# KiCad board rp2350-decoder.kicad_pcb (continued)
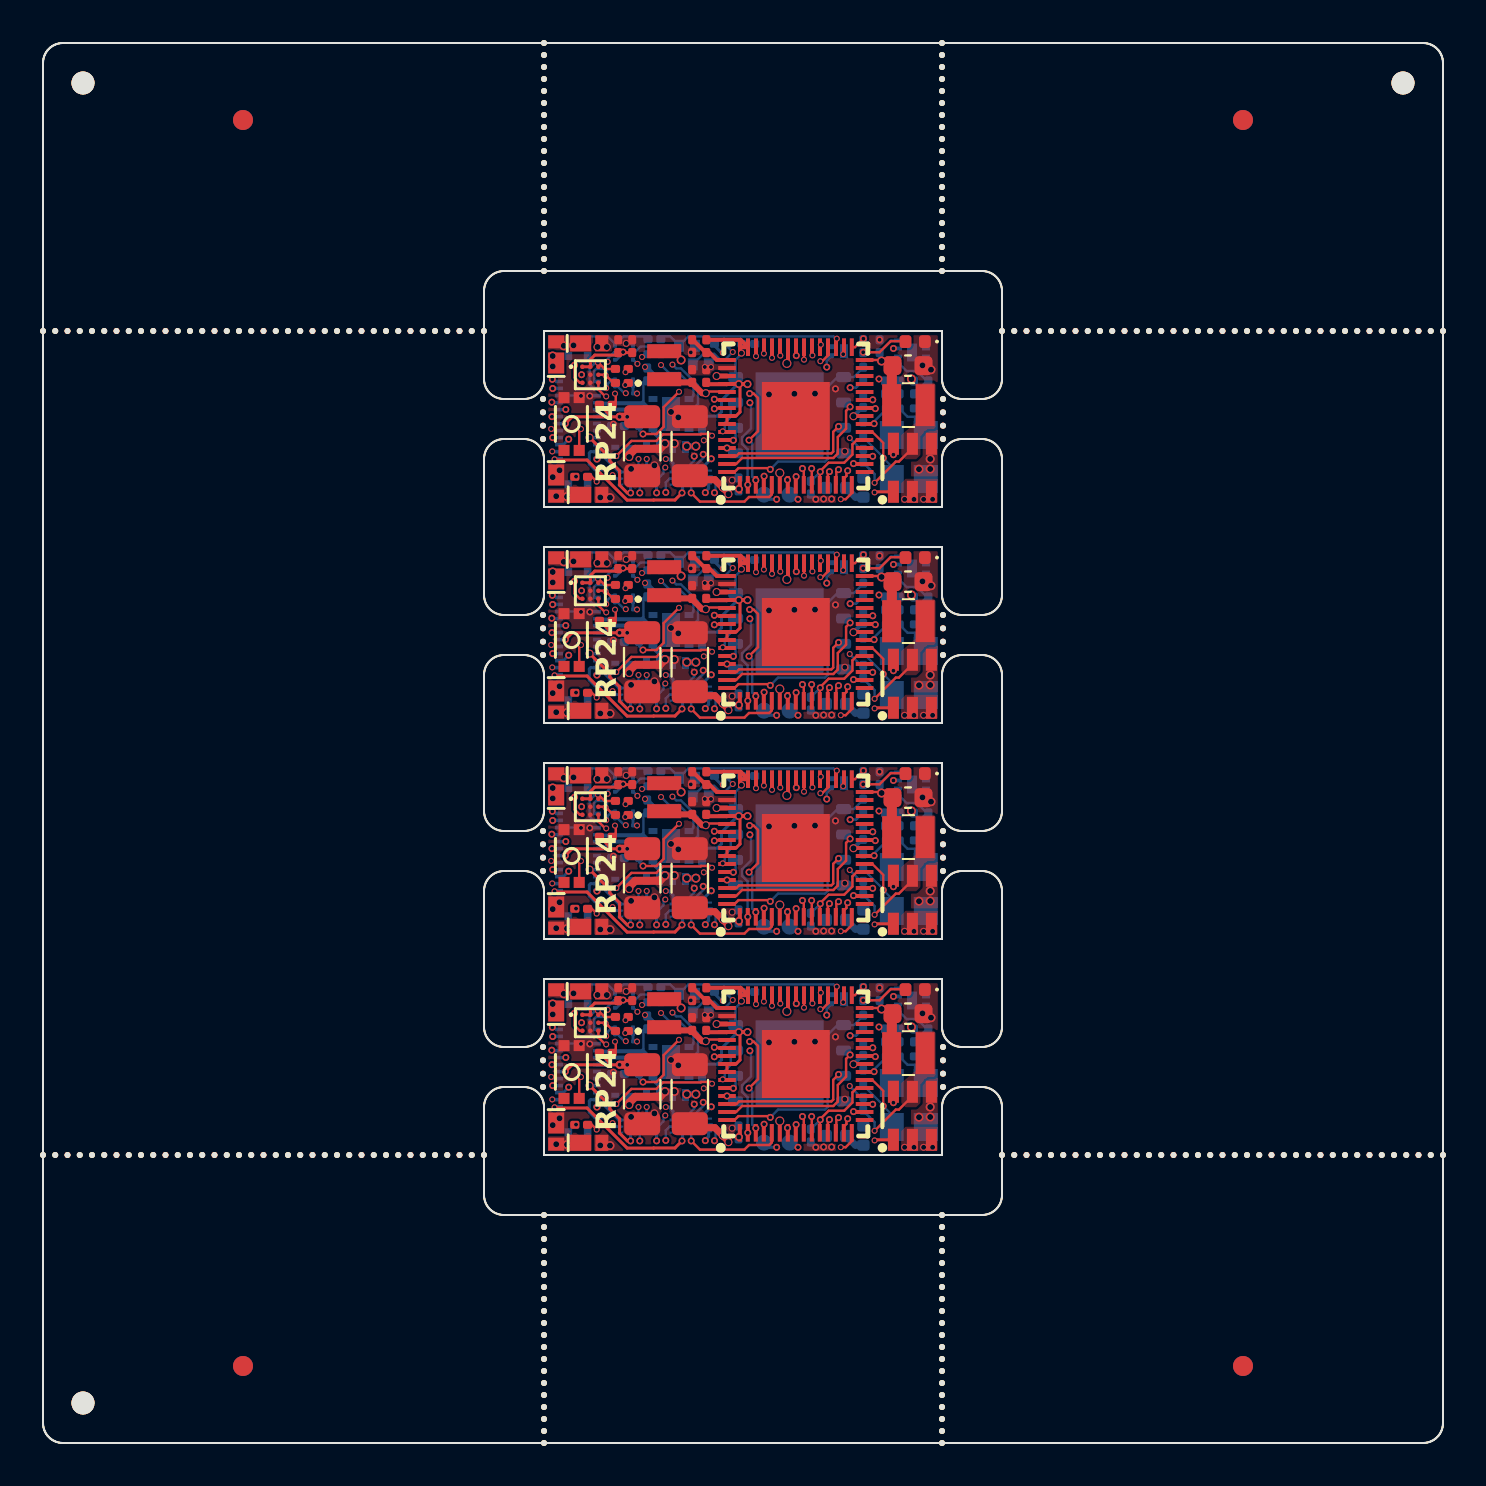
[diagram p0: board, top side]
## Routing (per net, layer and track width the routed paths; a pad name or vN(x,y) marks a point on that pad's centre or on a via; arc(x,y) is an arc through that point) (continued)
  Bottom w0.3: D5#4.2 32.18,49.8 32.21,49.83 32.63,49.83 v7(32.64,49.84)
  vias: v7(25.49,54.35) v7(25.49,53.83) v7(25.49,48.29) v7(25.83,48.64) v7(32.19,49.84)
Board_1-+1V1: length 20.5
  Top w0.12: v1(33.14,41.69) 33.22,41.77 34.18,41.77
  Top w0.2: v1(40.52,40.54) 40.57,40.54 40.58,40.55 U4#3.23 ; v2(37.19,43.18) 37.25,43.24 U4#3.39
  Top w0.3: 31.2,42.23 C9#4.1 ; 32.46,42.19 32.96,41.69 v1(33.14,41.69)
  In1.Cu w0.3: v1(40.52,40.54) 39.62,40.54 36.84,37.76 v2(36.84,37.7) ; 37.19,43.18 36.96,42.95 34.76,42.95 33.67,41.86 33.31,41.86 v1(33.14,41.69)
  In2.Cu w0.3: v1(40.52,40.54) 40.8,40.81 40.8,42.15 40.48,42.47 37.97,42.47 37.25,43.18 v2(37.19,43.18)
  Bottom w0.2: v1(40.52,40.54) 40.91,40.92
Board_1-+3.3V: length 36.4
  Top w0.12: 29.88,40.44 29.81,40.51 ; 41.93,43.3 41.88,43.35 U4#3.30 ; v6(34.92,43.69) 34.93,43.7 ; 28.42,40.51 R11.1 ; U4#3.11 38.84,37.74 v3(38.86,37.76) 38.86,37.8 39.28,38.21 40.06,38.21 40.47,38.62 40.47,39.13 40.69,39.35 U4#3.20 ; v4(34.8,36.9) 34.8,37.07
  Top w0.15: v5(29.21,40.51) 26.46,40.51 v3(26.12,40.17) ; U5#2.A1 U5#2.A2 27.37,43.38 27.59,43.59 28.63,43.59 C17.1 C18#3.1 ; v4(34.79,42.15) 34.85,42.09 34.85,40.75 34.65,40.55 U4#3.53 U4#3.54 ; U2#4.1 41.61,36.76 v5(41.58,36.73) ; 34.93,43.72 34.85,43.8 34.92,43.73 v6(34.92,43.69) 34.92,43.72
  Top w0.2: v4(35.23,42.15) v4(34.79,42.15) 34.79,42.15 U4#3.49 34.19,42.14 33.25,42.14 ; U4#3.45 U4#3.44 34.88,44.36 R14#3.2 ; 34.92,43.76 v6(34.92,43.69)
  Top w0.3: v7(41.93,43.3) 41.93,43.3
  Top w0.4: 28.83,40.51 28.83,40.52 C6#2.1
  Top w0.5: 42.44,41.09 42.44,42.8 42.47,42.83 C5#4.1
  In1.Cu w0.4: 28.83,40.51 28.84,40.51 v5(29.21,40.51) 30.89,40.51 31.15,40.25 31.18,40.25 31.19,40.24 31.28,40.24 31.55,39.97 31.98,39.97 32.13,40.12
  Bottom w0.12: U1#2.8 42.41,44.33 41.83,43.74 ; v3(29,43.75) 28.89,43.63 28.89,43.57 28.68,43.36 Q4#3.4 ; C14#3.1 38.86,37.76 v3(38.86,37.76) ; C7#2.1 34.9,44.11 34.9,44.04 34.92,44.02 v6(34.92,43.69) ; C1#3.2 41.83,43.4 v7(41.93,43.3) ; 34.99,43.72 34.63,43.36 U3#3.8
  Bottom w0.15: v3(26.12,40.17) 26.12,40.17 26.11,40.17 J3.18 ; C19#2.1 32.98,40.54 33.71,40.54 33.93,40.76 33.93,41.34 34.73,42.15 v4(34.79,42.15)
  Bottom w0.2: C19#2.1 32.95,40.52 32.91,40.48 32.4,40.48 32.35,40.43 32.33,40.43 U6#3.7 U6#3.8
  vias: v3(37.66,43.57) v5(28.83,40.51) v7(43.42,42.4)
Board_1-/ADC_EMF_A: length 9.7
  Top w0.12: v3(30,39.65) 30.67,39.65 31.03,40.01 31.03,40.99 v5(31.8,41.76)
  In3.Cu w0.12: v5(31.8,41.76) 31.81,41.76 32.23,42.18 33.83,42.18 34.4,42.75 35.31,42.75 36.05,43.48 v5(36.05,43.67)
  Bottom w0.12: v3(30,39.65) 29.81,39.84 29.81,40.07 R16#2.1 29.76,40.04 29.4,40.04 29.39,40.05 R17#2.2
Board_1-/ADC_EMF_B: length 8
  Top w0.12: v5(35.65,43.54) U4#3.43
  In3.Cu w0.12: v5(30.1,43) 30.07,42.97 30.07,42.73 30.5,42.3 31.55,42.3 32.6,43.35 35.46,43.35 v5(35.65,43.54)
  Bottom w0.12: R19#4.2 30.28,42.95 R18.1
Board_1-/AUX1 (VDC): length 5.4
  In1.Cu w0.15: v5(28.17,37.86) 28.27,37.96 28.66,37.96 29.1,37.52 29.71,37.52 30.17,37.98 30.17,38.39 v5(30.18,38.4)
  Bottom w0.15: v5(30.18,38.4) 30.18,37.77 Q6#3.6 ; v5(28.17,37.86) 27.6,37.86 27.31,38.14 27.31,38.7 27.39,38.77 J3.11
Board_1-/AUX2 (VDC): length 4.6
  In1.Cu w0.15: v3(30.68,36.71) 30.13,37.26 28.24,37.26 27.61,37.89 27.61,38.31 27.69,38.39 27.69,38.39 v3(27.7,38.39)
  Bottom w0.15: Q6#3.3 30.68,36.71 v3(30.68,36.71) ; 27.7,38.42 27.7,38.4 v3(27.7,38.39)
Board_1-/AUX3: length 18.8
  Top w0.12: v3(41.48,38.53) 41.48,38.54 41.09,38.54
  In4.Cu w0.12: v3(41.48,38.53) 40.83,38.53 40.23,39.13 39.88,39.13 39.49,39.13 39.02,39.61 36.44,39.61 34.1,41.95 33.43,41.95 33.19,42.19 30.84,42.19 30,41.35 28.45,41.35 28.3,41.2 26.3,41.2 26.15,41.35 25.55,41.35 v3(25.44,41.24)
  Bottom w0.12: v3(25.44,41.24) 25.47,41.24 25.48,41.23 25.8,41.23
Board_1-/AUX4: length 16.7
  Top w0.12: U4#3.17 40.55,38.15 v3(40.53,38.17)
  In4.Cu w0.12: v3(40.53,38.17) 40.25,38.44 40.02,38.44 39.85,38.44 39.39,38.9 38.92,39.38 36.35,39.38 36.07,39.65 36.07,39.65 35.74,39.98 34.63,39.98 34.05,40.57 33.42,40.57 32.78,41.21 30.18,41.21 30.1,41.12 28.56,41.12 28.39,40.95 26.21,40.95 v3(26.14,40.88)
  Bottom w0.12: 25.8,40.88 v3(26.14,40.88)
Board_1-/AUX5 (VDC): length 9.8
  In4.Cu w0.15: v3(33.41,38.41) 33.18,38.18 31.83,38.18 31.47,38.54 31.47,38.54 31.28,38.73 31.28,38.73 31.25,38.76 30.84,38.76 30.59,39.01 29.71,39.01 29.58,39.15 28.38,39.15 28.28,39.05 27.15,39.05 26.45,39.75 26.44,39.75 26.43,39.75 26.14,39.75 26.13,39.75 25.76,39.75 25.48,39.48 v3(25.48,39.47)
  Bottom w0.15: v3(33.41,38.41) 32.8,37.8 Q7.6
Board_1-/AUX6 (VDC): length 6.9
  In4.Cu w0.15: v3(26.29,39.39) 26.93,38.75 27.54,38.75 27.55,38.76 27.85,38.76 27.85,38.75 28.35,38.75 28.49,38.89 29.47,38.89 29.61,38.75 30.48,38.75 30.83,38.4 v5(31.14,38.4)
  Bottom w0.15: Q8#3.6 31.5,38.19 31.29,38.4 31.14,38.4 v5(31.14,38.4) ; 25.8,39.12 26.02,39.12 v3(26.29,39.39)
Board_1-/AUX7 (VDC): length 9.5
  In4.Cu w0.15: v5(25.46,38.78) 25.44,38.8 25.44,38.8 25.45,38.8 25.91,38.8 26.36,38.35 27.15,38.35 28.4,37.1 32.73,37.1 v3(33.12,36.72)
  Bottom w0.15: v3(33.12,36.72) 33.12,36.76 33.28,36.93 Q7.3 ; v5(25.46,38.78) 25.46,38.78 25.8,38.77
Board_1-/AUX8 (VDC): length 8.1
  Top w0.15: v5(25.58,38.39) 25.61,38.35 27.2,38.35 29.21,36.34 30.53,36.34 30.53,36.35 31.6,36.35 v3(31.95,36.7)
  Bottom w0.15: Q8#3.3 31.98,36.73 v3(31.95,36.7) ; 25.8,38.42 25.76,38.39 v5(25.58,38.39)
Board_1-/AUX10: length 17.3
  Top w0.12: 40.04,37.42 40.17,37.55 40.17,37.75 v3(40.23,37.81)
  In4.Cu w0.12: v3(25.45,40.52) 25.45,40.53 25.45,40.53 28.3,40.53 28.62,40.85 29.4,40.85 30.02,40.23 31.12,40.23 31.45,39.9 32.48,39.9 32.75,40.17 34.12,40.17 34.53,39.75 35.65,39.75 36.25,39.15 38.82,39.15 39.76,38.21 39.92,38.21 40.23,37.9 v3(40.23,37.81)
  Bottom w0.12: 25.8,40.52 25.46,40.52 v3(25.45,40.52)
Board_1-/AUX11: length 17.3
  In4.Cu w0.12: v3(35.34,41.21) 35.4,41.21 35.68,41.49 35.68,42.42 35.09,43.01 33.84,43.01 33.72,43.13 33.72,43.13 33.53,43.32 33.53,43.32 33.49,43.36 32.93,43.36 32.22,42.65 29.77,42.65 29.36,43.06 28.98,43.06 28.84,42.92 28.01,42.92 27.36,42.27 25.58,42.27 v3(25.47,42.38)
  Bottom w0.12: v3(35.24,37.11) 35.23,37.12 35.23,38.88 34.96,39.15 34.95,39.15 34.95,39.48 35.4,39.93 35.4,41.16 v3(35.34,41.21)
Board_1-/AUX12: length 15.6
  Top w0.12: v3(35.33,41.67) 35.53,41.67 35.75,41.45 35.75,39.79 v3(35.3,39.34)
  In4.Cu w0.12: v3(35.33,41.67) 34.74,41.67 34.23,42.18 33.53,42.18 33.29,42.42 29.67,42.42 29.67,42.42 29.67,42.42 28.47,42.42 28.31,42.26 27.83,42.26 27.49,41.92 v3(25.48,41.92)
  Bottom w0.12: v3(35.64,37.34) 35.46,37.52 35.46,39.18 v3(35.3,39.34) ; v3(25.48,41.92) 25.8,41.92
Board_1-/CAP_ENABLE: length 14.7
  Top w0.12: v5(33.45,39.56) 33.36,39.65 32.91,39.65 32.88,39.63 30.99,39.63 30.67,39.3 29.42,39.3 v5(28.66,38.55)
  In3.Cu w0.12: v5(40.01,43.64) 40.01,41.8 39.55,41.34 39.55,41.34 38.38,40.17 33.89,40.17 33.45,39.73 v5(33.45,39.56)
Board_1-/CAP_VDC: length 6.3
  Top w0.35: 31.56,39.17 v7(31.56,39.17) ; v1(33.99,36.96) 33.59,37.37 32.55,37.37 ; v1(33.99,36.96) 34.27,36.69 v1(34.27,36.64) 34.27,36.64 ; v1(33.99,36.96) 33.99,37
  Top w0.4: v7(31.1,39.17) 30.83,38.91 29.61,38.91 29.31,38.61 v1(29.31,38.5)
  In3.Cu w0.4: 31.56,39.18 v7(31.56,39.17)
  Bottom w0.2: U6#3.1 30.5,39.9 30.51,39.89 30.51,39.76 v7(31.1,39.17)
  Bottom w0.35: C2.1 40.62,36.49 40.16,36.95 C3#4.1
  vias: v6(43.08,36.38) v6(43.55,36.38) v6(44.03,36.38) v6(44.48,36.38)
Board_1-/COMP_N: length 2.7
  Bottom w0.12: R1#3.2 42.14,41.66 42.78,42.3 R2#4.1 42.35,42.78 42.35,43.27 42.61,43.52 U1#2.6
Board_1-/COMP_P: length 2.8
  Bottom w0.12: U1#2.5 42.85,43.12 43.18,42.8 43.7,42.8 44.19,42.3 R4#2.1 44.19,42.3 R3.2
Board_1-/DCC_TTL_L: length 9.2
  Bottom w0.12: R6#3.2 31.03,44.53 31.36,44.53 31.76,44.13 31.87,44.13 32.27,44.53 39.52,44.53 39.61,44.44 39.67,44.44 v5(39.69,44.42)
Board_1-/DCC_TTL_R: length 6.1
  Top w0.12: U4#3.41 v5(36.45,43.46)
  In2.Cu w0.12: v5(34.49,43.75) 34.49,43.75 34.81,44.07 36.1,44.07 36.45,43.72 v5(36.45,43.46)
  Bottom w0.12: D8.1 33.02,43.66 33.56,43.66 33.86,43.36 34.1,43.36 v5(34.49,43.75) 34.11,44.13
Board_1-/GPIO2: length 4.6
  Top w0.12: U4#3.4 36.04,37.53 v3(36.05,37.54)
  In4.Cu w0.12: v3(36.05,37.54) 35.91,37.69 34.16,37.69 33.57,37.1 v3(33.57,36.71)
  Bottom w0.12: v3(33.57,36.71) 33.62,36.76 33.62,37.34 33.45,37.52 Q7.2
Board_1-/GPIO3: length 5.8
  Top w0.12: v3(32.41,36.7) 32.85,36.27 35.07,36.27 35.3,36.5 36.31,36.5 36.44,36.63 U4#3.5
  Bottom w0.12: Q7.5 32.54,37.42 32.41,37.29 v3(32.41,36.7)
Board_1-/GPIO4: length 7.6
  In2.Cu w0.12: v3(31.14,36.73) 31.6,36.27 35.07,36.27 35.99,37.19 37.06,37.19 v3(37.23,37.35)
  Bottom w0.12: v3(31.14,36.73) 31.14,37.23 31.33,37.42 Q8#3.5
Board_1-/GPIO5: length 10.1
  Top w0.12: U4#3.8 37.64,37.51 v3(37.65,37.52)
  In4.Cu w0.12: v3(29.84,36.7) 30.27,36.27 36.08,36.27 36.82,37.01 37.42,37.01 37.6,37.19 37.6,37.47 v3(37.65,37.52)
  Bottom w0.12: v3(29.84,36.7) 29.84,37.32 29.94,37.42 Q6#3.5
Board_1-/GPIO6: length 11.4
  Top w0.12: U4#3.9 38.04,37.86 v3(37.97,37.92)
  In4.Cu w0.12: v3(37.97,37.92) 37.67,38.23 36.22,38.23 35.91,37.91 34.06,37.91 33.49,37.35 28.75,37.35 28.51,37.59 v5(28.48,37.59)
  Bottom w0.12: v5(28.48,37.59) 28.51,37.59 28.68,37.42 Q5#2.5
Board_1-/GPIO7: length 11.8
  Top w0.12: v3(38.43,37.92) 38.44,37.92 U4#3.10
  In4.Cu w0.12: v5(29.77,38.4) 29.77,38.35 29.74,38.32 29.74,38.24 30.4,37.58 33.4,37.58 33.96,38.15 35.81,38.15 36.13,38.46 38.1,38.46 38.43,38.13 38.43,37.95
  Bottom w0.12: Q5#2.2 29.64,37.52 29.77,37.65 v5(29.77,38.4)
Board_1-/GPIO8: length 10.4
  Top w0.12: v3(39.32,37.77) 39.24,37.69 U4#3.12
  In4.Cu w0.12: v3(39.32,37.77) 39.32,37.79 38.42,38.69 36.03,38.69 35.72,38.38 33.87,38.38 33.34,37.85 31.33,37.85 31.2,37.98 v5(31.11,37.98)
  Bottom w0.12: Q6#3.2 30.85,37.52 31.03,37.69 31.03,37.93 31.07,37.98 v5(31.11,37.98)
Board_1-/GPIO9: length 9.8
  Top w0.12: 39.67,37.14 39.67,37.76 v3(39.78,37.87)
  In4.Cu w0.12: v3(39.78,37.87) 38.73,38.92 35.93,38.92 35.62,38.6 33.71,38.6 33.56,38.76 33.13,38.76 v3(33.01,38.63)
  Bottom w0.12: Q8#3.2 32.14,37.52 32.36,37.74 32.36,37.8 33.01,38.45 v3(33.01,38.63)
Board_1-/GPIO25: length 11.4
  Top w0.12: v5(38.05,43.37) U4#3.37
  In4.Cu w0.12: v5(31.47,43.12) 31.69,42.9 32.09,42.9 32.79,43.6 33.58,43.6 33.94,43.24 35.5,43.24 35.95,42.78 37.47,42.78 v5(38.05,43.37)
  Bottom w0.12: U6#3.6 32.35,40.9 32.35,40.9 32.5,40.9 32.68,41.08 32.7,41.08 32.7,41.1 32.75,41.15 32.75,42.08 31.9,42.93 31.66,42.93 v5(31.47,43.12)
Board_1-/GPIO26: length 10
  Top w0.12: v5(36.86,43.57) 36.85,43.58 U4#3.40
  In4.Cu w0.12: v5(36.86,43.57) 36.36,44.07 31.57,44.07 30.9,43.4 v5(30.9,43.1)
  Bottom w0.12: U6#3.5 32.33,41.43 32.35,41.43 32.4,41.48 32.43,41.48 32.52,41.57 32.52,41.98 31.8,42.7 31.3,42.7 v5(30.9,43.1)
Board_1-/I2S_BCLK: length 14.4
  Top w0.12: U5#2.C1 26.84,42.21 26.58,42.47 26.58,43 26.58,43 v3(26.58,43.09)
  In4.Cu w0.12: v5(38.89,44.11) 38.89,44.17 38.53,44.53 27.73,44.53 27.29,44.09 27.29,43.81 26.58,43.09 v3(26.58,43.09)
Board_1-/I2S_DIN: length 14.5
  Top w0.12: U4#3.34 39.25,43.58 38.96,43.29 v5(38.87,43.29)
  In4.Cu w0.12: v3(26.93,42.61) 26.93,42.91 27.59,43.58 28.39,43.58 28.57,43.4 29.29,43.4 30.19,44.3 38.25,44.3 38.87,43.68 v5(38.87,43.29)
Board_1-/I2S_LRCLK: length 15.9
  Top w0.12: U5#2.C3 27.77,41.88 28.12,41.53 v5(28.16,41.53) ; U4#3.36 38.45,43.6 v5(38.47,43.58)
  In3.Cu w0.12: v5(28.16,41.53) 28.12,41.53 28.03,41.62 28.03,41.62 27.84,41.81 27.84,41.81 27.35,42.3 27.35,44.15 27.73,44.53 37.52,44.53 v5(38.47,43.58)
Board_1-/LAMP_FRONT: length 4.6
  Top w0.15: v1(27.33,39.47) 27.34,39.47 28.34,38.47 28.34,38.3 28.83,37.81 28.83,37.09 29.22,36.7 v3(29.38,36.7)
  Bottom w0.15: v3(29.38,36.7) Q5#2.3 ; 27.7,39.48 27.33,39.48 v1(27.33,39.47)
Board_1-/LAMP_REAR: length 2.1
  Bottom w0.15: 27.7,39.12 27.93,39.12 28.09,38.97 28.09,38.46 28.8,37.75 Q5#2.6
Board_1-/MOTOR_A: length 3.2
  Bottom w0.2: 30.52,40.4 30.5,40.4 U6#3.2 30.28,40.4 29.81,40.87 28.39,40.87 28.04,40.52 27.7,40.52
Board_1-/MOTOR_B: length 4.4
  Bottom w0.12: R18.2 30.08,42.31 30.02,42.25 30.02,41.31 29.95,41.24 29.95,41.19
  Bottom w0.2: 27.7,40.88 28,41.18 28.01,41.17 28.31,41.17 28.33,41.19 30.01,41.19 30.3,40.9 U6#3.3
Board_1-/QSPI_CS: length 10.5
  Top w0.12: 34.58,37.75 34.77,37.94 36.3,37.94 v3(36.36,37.88)
  Bottom w0.12: R8.1 41.01,42.97 40.54,42.49 U3#3.1 ; v3(36.36,37.88) 36.75,38.27 39.1,38.27 39.23,38.4 39.23,42 39.72,42.49
Board_1-/QSPI_SCLK: length 0.7
  Bottom w0.12: U3#3.6 34.63,39.45 v3(34.52,39.34)
Board_1-/QSPI_SD0: length 0.4
  Bottom w0.12: 34.47,38.69 v3(34.2,38.95)
Board_1-/QSPI_SD1: length 8.7
  Top w0.12: U4#3.59 34.65,38.15 34.95,38.45 39.52,38.45 39.74,38.67 39.74,39.5 40.15,39.91 40.15,40.81 v3(40.35,41.01)
  Bottom w0.12: v3(40.35,41.01) 40.14,41.23
Board_1-/QSPI_SD2: length 6.8
  Top w0.12: v3(39.78,40.03) 39.51,39.76 39.51,38.77 39.42,38.68 34.8,38.68 34.67,38.55 U4#3.58
Board_1-/QSPI_SD3: length 1.7
  Bottom w0.12: U3#3.7 34.39,40.98 34.39,40.51 34.09,40.21 34.09,39.88 33.99,39.78 v5(33.99,39.78)
Board_1-/RC_TX: length 14.6
  Top w0.12: v5(39.89,36.39) 40.13,36.39 40.44,36.7 U4#3.15 ; R13#4.2 27.44,37.51 v5(27.68,37.27)
  In1.Cu w0.12: v5(27.68,37.27) 27.94,37.02 28.36,37.02 29.11,36.27 36.08,36.27 36.55,36.74 39.58,36.74 39.89,36.43 v5(39.89,36.39)
Board_1-/SPEAKER_N: length 2.5
  Top w0.12: 28.58,42.15 28.24,42.49 28.22,42.49 v5(28.13,42.58) 28.1,42.61 U5#2.B3
  Bottom w0.12: v5(28.13,42.58) 28.2,42.65 28.2,42.8 28.1,42.9 27.65,42.9 27.56,42.81 27.56,42.25
Board_1-/SPEAKER_P: length 3
  Top w0.12: U5#2.A3 27.77,43.2 v5(27.74,43.22) 27.77,43.22 28.09,42.9 28.57,42.9
  Bottom w0.12: v5(27.74,43.22) 27.62,43.22 27.33,42.93 27.33,42.12 27.52,41.93 J3.2
Board_1-/SWCLK: length 10.1
  Top w0.15: v3(41.62,40.92) 41.58,40.95 U4#3.24
  In4.Cu w0.15: v3(37.75,36.39) 37.75,36.63 38.22,37.1 40.66,37.1 41.29,37.73 42.51,37.73 43.14,38.36 43.14,39.5 41.72,40.92 v3(41.62,40.92)
Board_1-/SWDIO: length 12
  Top w0.15: v3(41.49,41.36) 41.48,41.35 U4#3.25
  In4.Cu w0.15: v3(41.49,41.36) 41.26,41.13 41.26,40.75 41.48,40.53 41.74,40.53 42.88,39.39 42.88,38.47 42.41,37.99 41.18,37.99 40.55,37.36 38.12,37.36 37.52,36.77 37.01,36.77 36.68,36.43 v3(36.68,36.38)
  Bottom w0.15: v3(36.68,36.38) 36.29,36.38 J1.1
Board_1-/SWITCH: length 4.1
  Top w0.12: U2#4.5 43.47,38.95 42.79,38.27 42.64,38.27 v5(41.58,37.21)
  Bottom w0.12: C4#2.2 41.01,38.18 41.06,38.13 41.09,38.13 41.32,37.9 41.32,37.9 41.5,37.72 41.5,37.72 41.58,37.64 v5(41.58,37.21)
Board_1-/TRACK_LEFT: length 3.5
  Bottom w0.12: 27.3,44.53 28.23,44.53 28.6,44.16 Q4#3.6 28.62,44.08 28.62,44.13 29.02,44.53 30.08,44.53 30.19,44.42 30.22,44.42 R6#3.1
  vias: v7(26.04,44.06) v7(26.52,44.08)
Board_1-/TRACK_RIGHT: length 18.9
  In2.Cu w0.12: 27.35,42.75 27.35,42.6 28.01,41.94 v5(28.16,41.94) ; 27.35,42.75 27.35,44.16 27.73,44.53 33.22,44.53 34,43.75 34,43.73 33.99,43.72 v5(33.99,43.71) ; 27.35,42.75 27.35,42.55 27,42.2 26.55,42.2 25.79,41.44 25.79,40.91 25.77,40.9 25.77,40.7 25.79,40.68 25.79,40.34 25.75,40.3 25.75,39.7 25.83,39.62 25.83,38.86 26.22,38.46 26.22,37.67 25.66,37.11 v7(25.66,36.54)
  Bottom w0.12: Q3#2.6 28.46,42.38 28.24,42.16 28.24,41.92 28.22,41.9 28.2,41.9 v5(28.16,41.94)
  Bottom w0.15: R7#2.2 33.51,44.16 33.5,44.16 33.5,44.14 33.89,43.75 33.96,43.75 33.99,43.72 v5(33.99,43.71)
  vias: v7(26.2,36.52)
Board_1-/USB_N: length 7.2
  Top w0.12: U4#3.51 33.6,41.35 v3(33.57,41.39)
  In1.Cu w0.12: v3(33.57,41.39) 33.45,41.27 31.75,41.27 30.4,42.62 29.7,42.62 29.26,43.06 28.98,43.06 28.79,42.87 28.79,42.42 v5(29.11,42.1)
Board_1-/USB_P: length 7
  Top w0.12: v3(33.57,40.91) 33.61,40.95 U4#3.52
  In1.Cu w0.12: v5(29.13,42.74) 29.23,42.74 29.59,42.38 30.3,42.38 31.65,41.03 31.87,41.03 arc(31.93,41) 31.96,40.93 31.96,40.85 arc(31.98,40.78) 32.05,40.76 32.1,40.76 arc(32.16,40.78) 32.19,40.85 32.19,40.93 arc(32.21,41) 32.28,41.03 32.33,41.03 arc(32.39,41) 32.42,40.93 32.42,40.85 arc(32.44,40.78) 32.51,40.76 32.56,40.76 arc(32.62,40.78) 32.65,40.85 32.65,40.93 arc(32.67,41) 32.74,41.03 32.79,41.03 arc(32.85,41) 32.88,40.93 32.88,40.85 arc(32.9,40.78) 32.97,40.76 33.02,40.76 arc(33.08,40.78) 33.11,40.85 33.11,40.93 arc(33.13,41) 33.2,41.03 33.45,41.03 v3(33.57,40.91)
Board_1-/XIN: length 4.7
  Top w0.11: v3(42.01,38.45) 42.01,39.21 41.47,39.75 U4#3.21
  Bottom w0.11: C11#2.1 41.01,39.49 42.01,38.49 v3(42.01,38.45) 42.44,38.02 Y1#2.1
Board_1-/XOUT: length 1.5
  Top w0.12: U4#3.22 41.54,40.15 v3(41.55,40.17)
  Bottom w0.12: v3(41.55,40.17) 41.55,40.27 42.17,40.89 R5#2.2
Board_1-GND: length 3.8
  Bottom w0.12: 25.8,41.58 26.88,41.58 v3(26.9,41.55) ; Q4#3.1 29.5,44.08 29.4,44.18 v6(29.16,44.18) ; v3(32.56,38.54) 32.56,38.33 32.05,37.82 Q8#3.1 ; C13#2.2 34.53,37.45 34.45,37.38 34.45,37.34 v6(34.45,37.34)
  Bottom w0.15: 27.7,41.58 27.36,41.58 v3(27.34,41.55) ; v1(30.57,38.08) 30.57,37.96 Q6#3.1 ; Q5#2.1 29.4,37.83 v1(29.4,37.91)
  Bottom w0.2: 31.59,40.86 31.59,41.05
  vias: v1(27.72,44) v1(28.19,44) v1(31.4,40.75) v1(31.76,40.48) v3(28.52,40.14) v3(38.64,36.38) v3(39.03,36.4) v3(39.43,36.4) v3(39.62,41.91) v3(41.83,44.36) v5(32.39,43.73) v5(33.09,43) v5(33.4,43) v6(40.09,38.79) v7(27.87,36.48) v7(28.35,36.47) v7(36.3,41.63) v7(37.57,41.66) v7(38.6,41.67) v7(43.8,37.89) v7(43.97,43.08) v7(44.4,42.86) v7(44.36,38.4) v7(44.36,37.9)
Board_1-Net-(C8-Pad1): length 2.9
  Bottom w0.12: Y1#2.3 43.6,40.14 43.6,40.51 ; C8#3.1 43.79,40.51 43.23,40.51 R5#2.1
Board_1-Net-(D9-A): length 2.3
  Top w0.12: 43.1,44.29 42.38,44.29 41.83,43.74 v3(41.01,43.74)
Board_1-Net-(Q2-G): length 4.7
  In4.Cu w0.12: v3(39.19,42.99) 39.27,42.92 39.92,42.92 39.92,42.92 40.98,42.92 41.99,43.93 v3(42.52,43.93)
  Bottom w0.12: v3(42.52,43.93) 42.6,43.93 42.6,43.92 42.75,43.92 ; 39.5,43.52 39.48,43.54 39.41,43.54 39.19,43.31 v3(39.19,42.99)
Board_1-Net-(Q3A-B1): length 4
  In2.Cu w0.12: v5(29.7,41.68) 29.7,42.12 30.42,42.84 30.42,43.13 30.05,43.5 v5(29.95,43.5)
  Bottom w0.12: v5(29.7,41.68) 29.7,41.68 Q3#2.3 ; Q3#2.2 Q3#2.3 ; Q3#2.3 Q3#2.1 ; v5(29.95,43.5) 30.09,43.64 R12#2.1
Board_1-Net-(Q3B-B2): length 10.3
  In2.Cu w0.12: v5(29.14,41.69) 28.65,41.21 28.03,41.21 27.69,41.55 27.69,41.71 27.5,41.9 26.76,41.9 26.49,41.63 26.49,39.68 26.65,39.51 v5(26.65,37.52)
  In3.Cu w0.12: v5(29.14,41.69) 29.26,41.69 29.72,42.15 v5(29.72,43.16)
  Bottom w0.12: v5(29.72,43.16) 29.7,43.18 29.7,43.18 29.52,43.36 Q4#3.3 ; v5(29.14,41.69) 29.07,41.69 28.73,42.03 Q3#2.5
Board_1-Net-(Q3B-E2): length 3.1
  Top w0.12: v5(28.6,41.67) 28.63,41.67 28.64,41.66 28.64,41.29 R11.2
  In3.Cu w0.12: v5(28.24,43.26) 28.64,42.86 28.64,41.71 v5(28.6,41.67)
  Bottom w0.12: v5(28.24,43.26) 28.24,43.42 28.53,43.71 Q4#3.5
Board_1-Net-(Q4A-B1): length 1.7
  Bottom w0.12: R12#2.2 30.51,44.02 29.87,44.02 29.56,43.71 Q4#3.2
Board_1-Net-(R8-Pad2): length 17.1
  Top w0.12: v5(26.9,39.9) 26.81,39.81 SW1#3.2
  In3.Cu w0.12: v3(40.36,41.97) 40.36,41.96 40.36,41.83 39.78,41.25 39.78,41.24 38.47,39.94 34.63,39.94 33.94,39.24 33.09,39.24 33.04,39.3 v5(33.04,39.33)
  In4.Cu w0.12: v5(33.04,39.33) 32.8,39.57 31.28,39.57 30.85,40 29.57,40 29.37,39.79 27.71,39.79 27.6,39.9 v5(26.9,39.9)
  Bottom w0.12: R8.2 41.01,42.32 40.66,41.97 40.36,41.97 v3(40.36,41.97)
Board_1-Net-(U2-BST): length 3.5
  In1.Cu w0.12: v3(42.52,38.61) 41.69,39.45 v5(40.34,39.45)
  Bottom w0.12: v5(40.34,39.45) 40.34,39.44 40.96,38.82 40.98,38.82 41.01,38.85 C4#2.1
Board_1-Net-(U4-GPIO19): length 0.8
  Top w0.12: v3(41.02,44.41) 40.59,43.99 U4#3.31
Board_1-Net-(U4-VREG_AVDD): length 2.2
  Top w0.2: U4#3.46 33.69,43.35 33.32,43.72 R14#3.1 33.13,43.72 32.49,44.36 C15#3.1
Board_1-Net-(U4-VREG_LX): length 2.6
  Top w0.25: v1(33.68,42.55) U4#3.48
  In1.Cu w0.35: v7(31.9,43.35) 31.94,43.35 32.74,42.55 v1(33.68,42.55)
Board_1-VDC: length 12.2
  In3.Cu w0.12: v7(32.64,39.04) 32.67,39.01 33.39,39.01 33.85,38.55 34.4,38.55 34.95,39.1 34.95,39.48 35.18,39.71 38.57,39.71 40.01,41.15 40.01,41.15 40.48,41.62 40.54,41.62 41.32,42.4 v3(41.8,42.4)
  Bottom w0.12: 32.67,39.01 v7(32.64,39.04)
  Bottom w0.15: v5(25.41,39.9) 25.48,39.83 25.63,39.83 25.64,39.82 J3.17
  Bottom w0.3: v7(32.64,39.04) 32.63,39.03 32.21,39.03 32.18,39 D5#2.2
  vias: v7(25.49,43.55) v7(25.49,43.03) v7(25.49,37.49) v7(25.83,37.84) v7(32.19,39.04)
Board_2-+1V1: length 20.5
  Top w0.12: v1(33.14,30.89) 33.22,30.97 34.18,30.97
  Top w0.2: U4#2.23 40.58,29.75 40.57,29.74 v1(40.52,29.74) ; v2(37.19,32.38) 37.25,32.44 U4#2.39
  Top w0.3: v1(33.14,30.89) 32.96,30.89 32.46,31.39 ; 31.2,31.43 C9.1
  In1.Cu w0.3: v1(33.14,30.89) 33.31,31.06 33.67,31.06 34.76,32.15 36.96,32.15 37.19,32.38 ; v1(40.52,29.74) 39.62,29.74 36.84,26.96 v2(36.84,26.9)
  In2.Cu w0.3: v1(40.52,29.74) 40.8,30.01 40.8,31.35 40.48,31.66 37.97,31.66 37.25,32.38 v2(37.19,32.38)
  Bottom w0.2: v1(40.52,29.74) 40.91,30.12
Board_2-+3.3V: length 36.4
  Top w0.12: U4#2.20 40.69,28.55 40.47,28.33 40.47,27.82 40.06,27.41 39.28,27.41 38.86,27 v3(38.86,26.96) 38.84,26.94 U4#2.11 ; 29.88,29.64 29.81,29.71 ; 28.42,29.71 R11#3.1 ; v6(34.92,32.89) 34.93,32.9 ; v4(34.8,26.1) 34.8,26.27 ; U4#2.30 41.88,32.55 41.93,32.5
  Top w0.15: U5#4.A1 U5#4.A2 27.37,32.58 27.59,32.8 28.63,32.8 C17#3.1 C18#2.1 ; v4(34.79,31.35) 34.85,31.29 34.85,29.95 34.65,29.75 U4#2.53 U4#2.54 ; v3(26.12,29.37) 26.46,29.71 v5(29.21,29.71) ; v5(41.58,25.93) 41.61,25.96 U2#3.1 ; 34.93,32.92 34.85,33 34.92,32.93 v6(34.92,32.89) 34.92,32.92
  Top w0.2: 34.92,32.96 v6(34.92,32.89) ; 33.25,31.34 34.19,31.34 U4#2.49 34.79,31.35 v4(34.79,31.35) v4(35.23,31.35) ; U4#2.45 U4#2.44 34.88,33.56 R14#4.2
  Top w0.3: v7(41.93,32.5) 41.93,32.5
  Top w0.4: 28.83,29.71 28.83,29.72 C6#4.1
  Top w0.5: C5.1 42.47,32.03 42.44,31.99 42.44,30.29
  In1.Cu w0.4: 28.83,29.71 28.84,29.71 v5(29.21,29.71) 30.89,29.71 31.15,29.45 31.18,29.45 31.19,29.44 31.28,29.44 31.55,29.17 31.98,29.17 32.13,29.32
  Bottom w0.12: v3(29,32.95) 28.89,32.83 28.89,32.77 28.68,32.56 Q4#2.4 ; 34.99,32.92 34.63,32.56 U3#4.8 ; v6(34.92,32.89) 34.92,33.22 34.9,33.24 34.9,33.31 C7#4.1 ; U1.8 42.41,33.52 41.83,32.94 ; v7(41.93,32.5) 41.83,32.6 C1#4.2 ; C14.1 38.86,26.96 v3(38.86,26.96)
  Bottom w0.15: v4(34.79,31.35) 34.73,31.35 33.93,30.54 33.93,29.96 33.71,29.74 32.98,29.74 C19#3.1 ; v3(26.12,29.37) 26.12,29.37 26.11,29.37 J3#3.18
  Bottom w0.2: C19#3.1 32.95,29.72 32.91,29.68 32.4,29.68 32.35,29.63 32.33,29.63 U6.7 U6.8
  vias: v3(37.66,32.77) v5(28.83,29.71) v7(43.42,31.6)
Board_2-/ADC_EMF_A: length 9.7
  Top w0.12: v3(30,28.85) 30.67,28.85 31.03,29.21 31.03,30.19 v5(31.8,30.96)
  In3.Cu w0.12: v5(31.8,30.96) 31.81,30.96 32.23,31.38 33.83,31.38 34.4,31.95 35.31,31.95 36.05,32.68 v5(36.05,32.87)
  Bottom w0.12: R17.2 29.39,29.25 29.4,29.24 29.76,29.24 R16#4.1 29.81,29.27 29.81,29.04 v3(30,28.85)
Board_2-/ADC_EMF_B: length 8
  Top w0.12: v5(35.65,32.74) U4#2.43
  In3.Cu w0.12: v5(35.65,32.74) 35.46,32.55 32.6,32.55 31.55,31.5 30.5,31.5 30.07,31.93 30.07,32.17 v5(30.1,32.2)
  Bottom w0.12: R18#3.1 30.28,32.15 R19#3.2
Board_2-/AUX1 (VDC): length 5.4
  In1.Cu w0.15: v5(28.17,27.06) 28.27,27.16 28.66,27.16 29.1,26.72 29.71,26.72 30.17,27.18 30.17,27.59 v5(30.18,27.6)
  Bottom w0.15: v5(30.18,27.6) 30.18,26.97 Q6.6 ; v5(28.17,27.06) 27.6,27.06 27.31,27.34 27.31,27.9 27.39,27.97 J3#3.11
Board_2-/AUX2 (VDC): length 4.6
  In1.Cu w0.15: v3(27.7,27.59) 27.69,27.59 27.69,27.59 27.61,27.51 27.61,27.09 28.24,26.46 30.13,26.46 v3(30.68,25.91)
  Bottom w0.15: 27.7,27.62 27.7,27.6 v3(27.7,27.59) ; Q6.3 30.68,25.91 v3(30.68,25.91)
Board_2-/AUX3: length 18.8
  Top w0.12: 41.09,27.74 41.48,27.74 v3(41.48,27.73)
  In4.Cu w0.12: v3(41.48,27.73) 40.83,27.73 40.23,28.33 39.88,28.33 39.49,28.33 39.02,28.81 36.44,28.81 34.1,31.15 33.43,31.15 33.19,31.39 30.84,31.39 30,30.55 28.45,30.55 28.3,30.4 26.3,30.4 26.15,30.55 25.55,30.55 v3(25.44,30.44)
  Bottom w0.12: 25.8,30.42 25.48,30.42 25.47,30.44 v3(25.44,30.44)
Board_2-/AUX4: length 16.7
  Top w0.12: U4#2.17 40.55,27.35 v3(40.53,27.37)
  In4.Cu w0.12: v3(40.53,27.37) 40.25,27.64 40.02,27.64 39.85,27.64 39.39,28.1 38.92,28.58 36.35,28.58 36.07,28.85 36.07,28.85 35.74,29.18 34.63,29.18 34.05,29.77 33.42,29.77 32.78,30.41 30.18,30.41 30.1,30.32 28.56,30.32 28.39,30.15 26.21,30.15 v3(26.14,30.08)
  Bottom w0.12: 25.8,30.08 v3(26.14,30.08)
Board_2-/AUX5 (VDC): length 9.8
  In4.Cu w0.15: v3(25.48,28.67) 25.48,28.67 25.76,28.95 26.13,28.95 26.14,28.95 26.43,28.95 26.44,28.95 26.45,28.95 27.15,28.25 28.28,28.25 28.38,28.35 29.58,28.35 29.71,28.21 30.59,28.21 30.84,27.96 31.25,27.96 31.28,27.93 31.28,27.93 31.47,27.74 31.47,27.74 31.83,27.38 33.18,27.38 v3(33.41,27.61)
  Bottom w0.15: Q7#3.6 32.8,27 v3(33.41,27.61)
Board_2-/AUX6 (VDC): length 6.9
  In4.Cu w0.15: v3(26.29,28.59) 26.93,27.95 27.54,27.95 27.55,27.96 27.85,27.96 27.85,27.95 28.35,27.95 28.49,28.09 29.47,28.09 29.61,27.95 30.48,27.95 30.83,27.6 v5(31.14,27.6)
  Bottom w0.15: v3(26.29,28.59) 26.02,28.33 25.8,28.33 ; Q8.6 31.5,27.39 31.29,27.6 31.14,27.6 v5(31.14,27.6)
Board_2-/AUX7 (VDC): length 9.5
  In4.Cu w0.15: v3(33.12,25.92) 32.73,26.3 28.4,26.3 27.15,27.55 26.36,27.55 25.91,28 25.45,28 25.44,28 25.44,28 v5(25.46,27.98)
  Bottom w0.15: Q7#3.3 33.28,26.13 33.12,25.96 v3(33.12,25.92) ; 25.8,27.98 25.46,27.98 v5(25.46,27.98)
Board_2-/AUX8 (VDC): length 8.1
  Top w0.15: v5(25.58,27.59) 25.61,27.55 27.2,27.55 29.21,25.55 30.53,25.55 30.53,25.55 31.6,25.55 v3(31.95,25.9)
  Bottom w0.15: v3(31.95,25.9) 31.98,25.93 Q8.3 ; 25.8,27.62 25.76,27.59 v5(25.58,27.59)
Board_2-/AUX10: length 17.3
  Top w0.12: v3(40.23,27.01) 40.17,26.95 40.17,26.75 40.04,26.62
  In4.Cu w0.12: v3(40.23,27.01) 40.23,27.1 39.92,27.41 39.76,27.41 38.82,28.35 36.25,28.35 35.65,28.95 34.53,28.95 34.12,29.37 32.75,29.37 32.48,29.1 31.45,29.1 31.12,29.43 30.02,29.43 29.4,30.05 28.62,30.05 28.3,29.73 25.45,29.73 25.45,29.73 v3(25.45,29.72)
  Bottom w0.12: 25.8,29.73 25.46,29.73 v3(25.45,29.72)
Board_2-/AUX11: length 17.3
  In4.Cu w0.12: v3(35.34,30.41) 35.4,30.41 35.68,30.69 35.68,31.62 35.09,32.21 33.84,32.21 33.72,32.33 33.72,32.33 33.53,32.52 33.53,32.52 33.49,32.56 32.93,32.56 32.22,31.85 29.77,31.85 29.36,32.26 28.98,32.26 28.84,32.12 28.01,32.12 27.36,31.47 25.58,31.47 v3(25.47,31.58)
  Bottom w0.12: v3(35.24,26.31) 35.23,26.32 35.23,28.08 34.96,28.35 34.95,28.35 34.95,28.68 35.4,29.13 35.4,30.36 v3(35.34,30.41)
Board_2-/AUX12: length 15.6
  Top w0.12: v3(35.3,28.54) 35.75,28.99 35.75,30.65 35.53,30.87 v3(35.33,30.87)
  In4.Cu w0.12: v3(25.48,31.12) 27.49,31.12 27.83,31.46 28.31,31.46 28.47,31.62 29.67,31.62 29.67,31.62 29.67,31.62 33.29,31.62 33.53,31.38 34.23,31.38 34.74,30.87 v3(35.33,30.87)
  Bottom w0.12: v3(25.48,31.12) 25.8,31.12 ; v3(35.64,26.54) 35.46,26.72 35.46,28.38 v3(35.3,28.54)
Board_2-/CAP_ENABLE: length 14.7
  Top w0.12: v5(28.66,27.75) 29.42,28.5 30.67,28.5 30.99,28.83 32.88,28.83 32.91,28.85 33.36,28.85 v5(33.45,28.76)
  In3.Cu w0.12: v5(33.45,28.76) 33.45,28.93 33.89,29.37 38.38,29.37 39.55,30.54 39.55,30.54 40.01,31 v5(40.01,32.84)
Board_2-/CAP_VDC: length 6.3
  Top w0.35: 34.27,25.84 v1(34.27,25.84) 34.27,25.89 v1(33.99,26.16) ; v1(33.99,26.16) 33.59,26.56 32.55,26.56 ; v1(33.99,26.16) 33.99,26.2 ; 31.56,28.37 v7(31.56,28.38)
  Top w0.4: v7(31.1,28.37) 30.83,28.11 29.61,28.11 29.31,27.81 v1(29.31,27.7)
  In3.Cu w0.4: 31.56,28.38 v7(31.56,28.38)
  Bottom w0.2: U6.1 30.5,29.1 30.51,29.09 30.51,28.96 v7(31.1,28.37)
  Bottom w0.35: C2#4.1 40.62,25.69 40.16,26.15 C3#3.1
  vias: v6(43.08,25.58) v6(43.55,25.58) v6(44.03,25.58) v6(44.48,25.58)
